# Altium PCB DCAC_V2.PcbDoc (part 1 of 2)
Units mm, origin at the board's own origin, x right, y up, seen from the top; angles counter-clockwise.
Board outline 174.4 x 124.43 mm, 4 copper layers (Top Layer, TOP_RTN, BOTT_RTN, Bottom Layer), stack 1.506 mm thick; 117 components, 312 nets, 484 pads, 111 vias.
Unrouted connection lines stored in the file: 175.
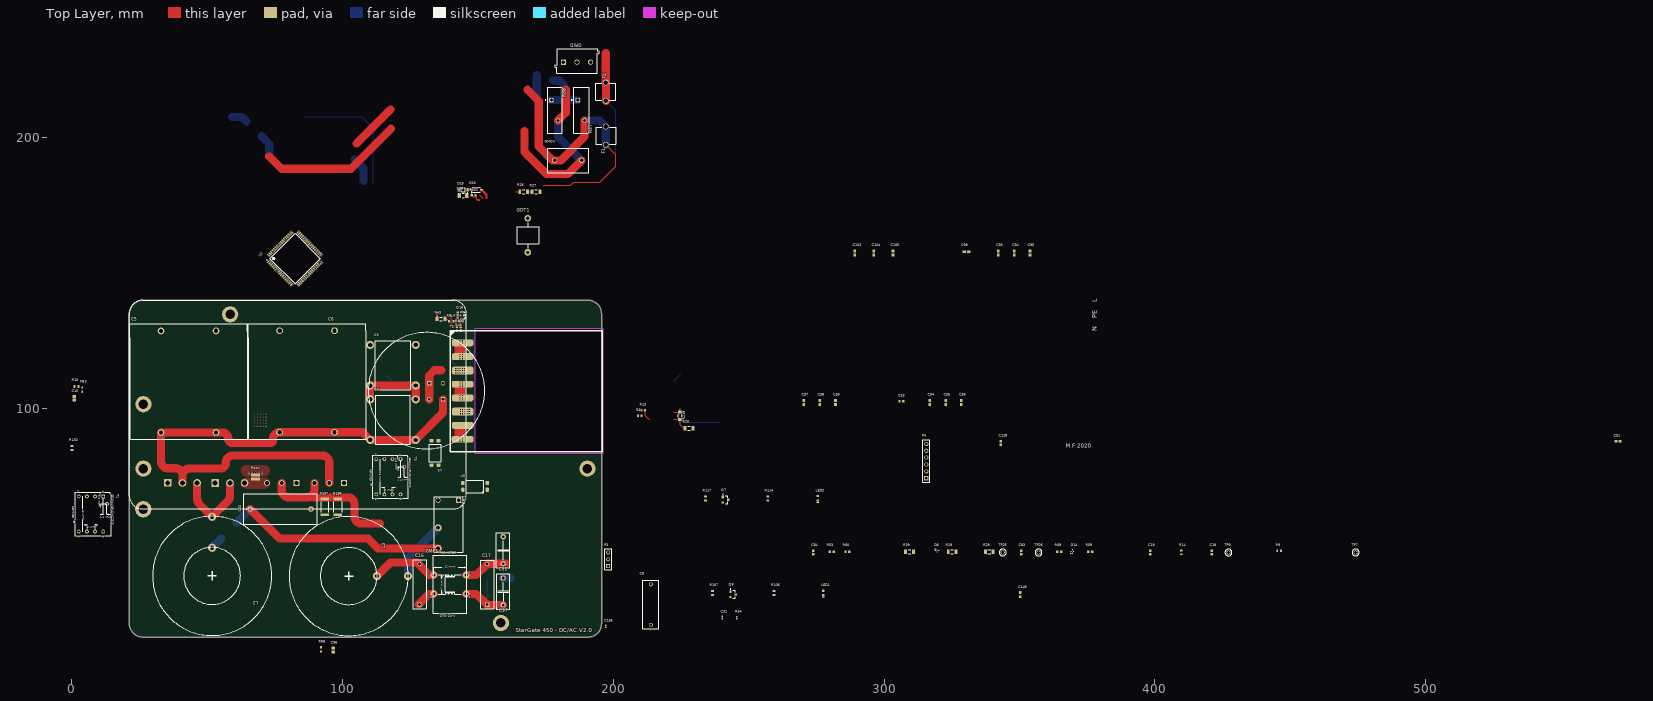
[diagram p0: Top Layer view]
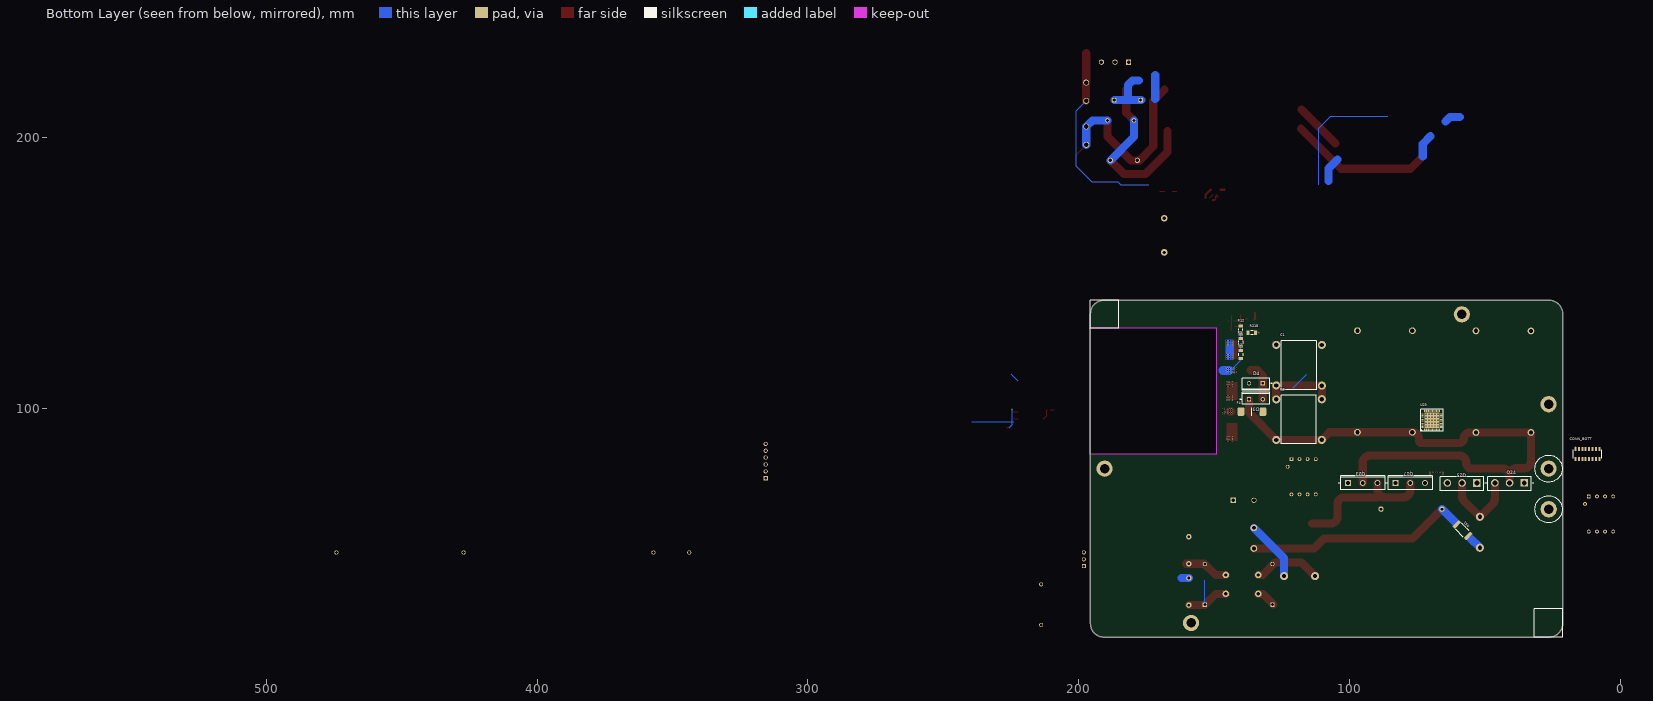
[diagram p1: Bottom Layer view, seen from below]
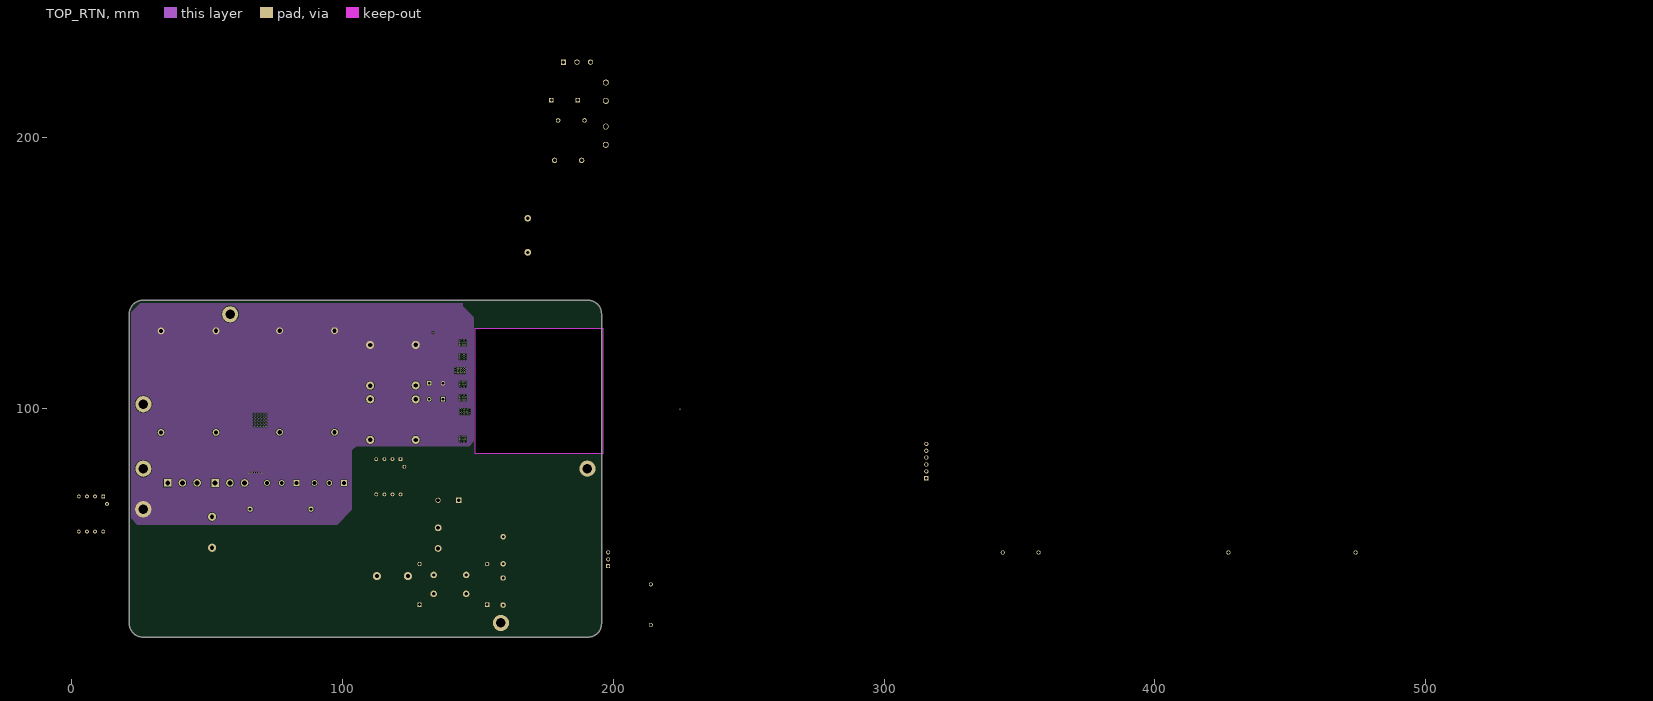
[diagram p2: TOP_RTN]

## Layer stack, top to bottom
Top Solder: solder mask 0.0102, Solder Resist, Dk 3.5
Top Layer: signal copper 0.0356
Dielectric 2: prepreg 0.2, PP-006, Dk 4.1
TOP_RTN: signal copper 0.0175
Dielectric 1: dielectric 1, FR-4, Dk 4.8
BOTT_RTN: signal copper 0.0175
Dielectric 3: prepreg 0.2, PP-006, Dk 4.1
Bottom Layer: signal copper 0.0356
Bottom Solder: solder mask 0.0102, Solder Resist, Dk 3.5

## Board outline
21.175,20.4 ccw(c26.175,20.4) 26.175,15.4 190.65,15.4 190.579,15.396 ccw(c190.579,20.396) 195.579,20.396 195.575,20.425 195.575,134.85 195.575,134.825 ccw(c190.575,134.825) 190.575,139.825 26.175,139.825 ccw(c26.175,134.825) 21.175,134.825 21.175,134.85
cut-out: 148.85,129.475 196.1,129.475 196.1,83.062 148.85,83.062

## Design rules (kind name [scope] priority, off if disabled: settings)
Clearance Clearance_3 [InNetClass('BOTT')] p1: gap=0.178 ignorepadtopadclearanceinfootprint=FALSE
Clearance Clearance_1 [(InNetClass('HVDC+')   OR  InNetClass('HVDC-')) vs (OnLayer('Top Layer') OR OnLayer('Bottom Layer'))] p2: gap=1.8 ignorepadtopadclearanceinfootprint=FALSE except(0.2: SMDPad-SMDPad)
Clearance Clearance_5 [InNetClass('GRID+')] p3: gap=0.178 ignorepadtopadclearanceinfootprint=FALSE
Clearance Clearance_2 [InNetClass('GRID+')  OR InNetClass('GRID-')] p4: gap=2 ignorepadtopadclearanceinfootprint=FALSE except(0.254: SMDPad-SMDPad)
Clearance Clearance_4 [InNetClass('HVDC') vs (OnLayer('TOP_RTN') OR OnLayer('BOTT_RTN'))] p5: gap=0.5 ignorepadtopadclearanceinfootprint=FALSE
Clearance [All] p6: gap=0.178 ignorepadtopadclearanceinfootprint=FALSE
HoleSize [All] p1: absolutevalues=TRUE maxlimit=5 minlimit=0.025 maxpercent=80.000 minpercent=20.000
PolygonConnect [All] p1: connectstyle=Direct reliefconductorwidth=0.254 reliefentries=4 polygonreliefangle="90 Angle" airgapwidth=0.254
RoutingVias [All] p1: holewidth=0.3 width=0.6 viastyle="Through Hole" minholewidth=0.3 minwidth=0.6 maxholewidth=2 maxwidth=1.27
SolderMaskExpansion [All] p1: expansion=0.06 istentingtop=FALSE
Width [All] p1: maxlimit=20 minlimit=0.178 preferedwidth=0.254
29 further rules are at their usual default settings.

## Classes and differential pairs
component class Control_Sense_BOTT: C10 C51 C53 C54 C55 C56 C57 C58 C96 C99 C128 C146 C156 FB3 FB8 P4 Q8 R10 R106 R107 R130 U2

## Components (designator, comment, footprint, x,y, rotation, side; value= is the part's Value field where it differs from the comment)
C1 "1uF" ECW-FE2W105K 118.625,115.8 r180 bottom
C2 "1uF" ECW-FE2W105K 118.65,95.75 r180 bottom
C3 "1uF" ECW-FE2W105K 118.45,115.85 r0 top
C4 "1uF" ECW-FE2W105K 118.45,95.725 r0 top
C5 "45 uF 500V" C4AQLLW5450A38K 53.2,91 r90 top value=45uF
C6 "45 uF 500V" C4AQLLW5450A38K 96.975,91.07 r90 top value=45uF
C8 "B32672P5334K000" B32672P5334K000 213.8,19.9 r90 top
C10 "1uF" CAPC2013X140X50LL20T25 0.877,103.65 r90 top
C16 "100nF" TDK-B32922C3104K 128.375,34.9 r90 top
C17 "100nF" TDK-B32922C3104K 153.325,34.875 r90 top locked
C18 "100 nF" CAPC1608X90X40NL10T20 420.921,46.652 r90 top
C19 "100 nF" CAPC1608X90X40NL10T20 398.319,46.652 r90 top
C31 "1nF" CAPC1005X56X25LL10T15 240.137,22.651 r90 top
C33 "560nF" ECWFE2W335J 77.025,62.675 r180 top
C35 "2.2nF" "CAPMF13.0x5.0x11.0x10.0mm LxWxHxP" 159.25,47.475 r270 top
C37 "2.2nF" "CAPMF13.0x5.0x11.0x10.0mm LxWxHxP" 159.225,32.225 r90 top locked
C38 "10uF 25V" CAPC3216X229X50NL20T25 144.45,178.525 r180 top
C51 "1nF" CAPC1608X90X35NL15T15 570.978,87.704 r0 top
C53 "100nF" CAPC1608X90X35LL15T15 306.32,102.577 r0 top
C54 "100nF" CAPC1608X90X35NL15T15 316.821,102.102 r90 top
C55 "100nF" CAPC1608X90X35NL15T15 322.671,102.102 r90 top
C56 "100nF" CAPC1608X90X35NL15T15 328.496,102.102 r90 top
C57 "100nF" CAPC1608X90X35NL15T15 270.318,102.102 r90 top
C58 "100nF" CAPC1608X90X35NL15T15 276.169,102.102 r90 top
C59 "100nF" CAPC1608X90X35NL15T15 281.994,102.102 r90 top
C83 "100pF" CAPC1608X90X40NL10T20 350.542,46.652 r90 top
C84 "100pF" CAPC1608X90X40NL10T20 273.763,46.652 r90 top
C93 "100nF" CAPC1608X90X35NL15T15 342.147,157.279 r90 top
C94 "100nF" CAPC1608X90X35NL15T15 347.997,157.279 r90 top
C95 "100nF" CAPC1608X90X35NL15T15 353.823,157.279 r90 top
C96 "1uF" CAPC2013X140X50LL20T25 96.475,10.6 r90 top
C99 "100nF" CAPC1608X90X35ML15T15 330.396,157.729 r0 top
C103 "100nF" CAPC1608X90X35NL15T15 289.069,157.279 r90 top
C104 "100nF" CAPC1608X90X35NL15T15 296.17,157.279 r90 top
C105 "100nF" CAPC1608X90X35NL15T15 303.27,157.279 r90 top
C128 "100nF" SAMS-C0603-2_N 342.992,87.104 r90 top
C146 "1nF" CAPC1608X90X35NL15T15 350.192,31.077 r90 top
C156 "1nF" CAPC1005X56X25LL10T15 197.085,19.401 r90 top
CMC1 "" DTS-20/0,47/7,0 133.6,38.375 r0 top locked
CONN_BOTT "CLP-108-02-F-D-BE" CLP-108-02-XXX-D-BE 12.04,83.035 r0 bottom
D3 "IDH06G65C6XKSA1" INF-PG-TO220-2-1 134.475,103.225 r90 bottom
D4 "IDH06G65C6XKSA1" INF-PG-TO220-2-1 134.475,109.15 r270 bottom
D8 "5V" ONSC-SOD-523-2-502-01_V 319.516,47.352 r0 top
D14 "15V" ONSC-SOD-523-2-502-01_V 369.518,47.002 r90 top
D18 "SZMMSZ4702T1G" ONSC-SOD-123-2-425-04_V 144.5,180.6 r180 top
D19 "1N5819HW-7-F" DIOD-SOD-123-2_V 149.4,180.625 r180 top
F1 "3517" KSTN-3517-2_V 197.15,200.6 r90 top locked
F2 "3517" KSTN-3517-2_V 197.175,216.825 r90 top locked
F4 "0678H9100-02" FUSC9830X318N 135.95,98.675 r180 bottom
FB3 "100R" SMD-0603 3.8,106.85 r90 top
FB8 "100R" SMD-0603 91.9,10.85 r90 top
GDT1 "AC240" AC240 168.325,157.5 r90 top
GMOV "GMOV-20D271K" GMOV20D271K 178.25,191.5 r0 top locked
GRID "691101710003" 691101710003 186.525,228.25 r0 top
K1 "ALQ312" PNSC-LQ-4-2000x1000x1600_V 142.85,65.925 r270 top
L2 "1mH" PCBComponent_1 51.75,38 r180 top
L3 "1mH" PCBComponent_1 102.2,37.925 r90 top
LED1 "150060YS75000" 0603_A 277.489,31.727 r90 top
LED2 "150060YS75000" 0603_A 275.463,66.678 r90 top
P3 "Header 3" HDR1X3 198.035,41.602 r90 top
P4 "TSW-106-07-G-S" SMTC-TSW-106-07-X-S 315.54,74.079 r90 top
Q7 "2N7002-7-F" DIOD-SOT23-3_V 241.412,66.103 r0 top
Q8 "2N7002-7-F" DIOD-SOT23-3_V 244.212,31.177 r0 top
Q16 "2N7002" STM-SOT-23-3_V 143.725,134.3 r270 top
Q17 "IKW30N65EL5 / STGW30M65DF2" INF-PG-TO247-3_V 77.465,72.325 r90 bottom
Q23 "IKW30N65EL5 / STGW30M65DF2" INF-PG-TO247-3_V 95.025,72.325 r90 bottom
Q24 "C3M0065090D" CREE-TO-247-3_V 40.8,72.375 r0 bottom
Q25 "C3M0065090D" CREE-TO-247-3_V 58.325,72.325 r0 bottom
R2 "33K 1206" RESC3216X70X50NL05T20#1 140.075,119.75 r270 bottom
R3 "10K" RESC1609X50X30NL8T20 209.675,97.2 r0 top
R4 "3.3k" RESC1608X55X25NL10T15 143.575,132.075 r180 top
R5 "33K 1206" RESC3216X70X50NL05T20#1 140.075,124.275 r270 bottom
R9 "330R" RESC1608X55X25NL10T15 445.847,47.327 r0 top
R10 "0.47R" RESC1608X55X25ML10T15 1.675,108 r0 top
R12 "33K 1206" RESC3216X70X50NL05T20#1 140.075,128.825 r270 bottom
R13 "10K" RESC1609X50X30NL8T20 211,99.15 r180 top
R14 "330R" RESC1608X55X25NL10T15 409.695,46.702 r90 top
R20 "33K 1206" RESC3216X70X50NL05T20#1 227.925,92.575 r0 top
R26 "33K 1206" RESC3216X70X50NL05T20#1 166.8,179.825 r0 top
R27 "33K 1206" RESC3216X70X50NL05T20#1 171.35,179.825 r0 top
R28 "333K" RESC3216X70X50NL05T20#2 338.817,46.902 r0 top
R29 "333K" RESC3216X70X50NL05T20#2 325.066,46.902 r0 top
R37 "V275LA20AP" LFUS-V275LA20AP 188.05,210 r270 top locked
R38 "V275LA20AP" LFUS-V275LA20AP 178.3,209.975 r270 top locked
R39 "333K" RESC3216X70X50NL05T20#2 309.34,46.902 r0 top
R43 "470R" RESC3216X70X50NL05T20#1 136.325,132.9 r0 top
R48 "330R" RESC1608X55X30NL15T15 142.9,128.6 r0 top
R50 "100k" RESC1608X55X30NL15T15 142.9,130 r0 top
R51 "0.025R 1% 2512(6432)" RESC2512(6432)_N 58.175,54.9 r45 bottom value="100.00 Ohm"
R53 "10k" RESC1608X55X30ML15T15 280.564,46.952 r0 top
R54 "49.9R" RESC1005X40X25NL05T05 245.537,22.551 r90 top
R59 "10k" RESC1608X55X30ML15T15 376.143,46.952 r0 top
R60 "10k" RESC1608X55X30ML15T15 286.414,46.952 r0 top
R68 "10k" RESC1608X55X30ML15T15 364.693,46.952 r0 top
R106 "4.7K" RESC1608X55X25ML10T15 259.263,31.652 r90 top value=N/A
R107 "100k" RESC1608X55X25ML10T15 236.537,31.652 r90 top
R114 "4.7K" RESC1608X55X25ML10T15 256.963,66.603 r90 top
R117 "100k" RESC1608X55X25ML10T15 233.986,66.603 r90 top
R130 "0.47R" RESC1608X55X25ML10T15 0,85.2 r90 top
R152 "1R" RESC1608X55X30NL15T15 148.3,178.625 r0 top
R196 "6.8R 2W" RESC2512(6432)_L 98.19,63.474 r270 top value="10.00 Ohm"
R197 "6.8R 2W" RESC2512(6432)_L 93.365,63.474 r270 top value="10.00 Ohm"
R218 "33K 1206" RESC3216X70X50NL05T20#2 135.975,127.825 r180 bottom
R219 "33K 1206" RESC3216X70X50NL05T20#2 224.575,97.15 r90 top
Rcsn "0.02R" RESC1632X80N 67.775,74.525 r270 top
RELAY "150060GS75000" 0603_A 140.075,132.075 r180 top
T1 "TI-E10" EE10-K-V-8P-SS-WZ2579 11.546,67.38 r270 top
T2 "LLC 400W" ETD39-K-V-16P-HORIZONTAL-SEC 139.711,83.948 r0 top
T3 "TI-E10" EE10-K-V-8P-SS-WZ2579 121.396,81.13 r270 top
TP7 "5002" KSTN-5002 474.098,46.652 r0 top
TP9 "5001" KSTN-5001 427.121,46.652 r0 top
TP25 "5002" KSTN-5002 343.767,46.652 r90 top
TP26 "5002" KSTN-5002 356.992,46.652 r90 top
U1 "LTV-814S" LTV-814S 135.299,87.967 r270 top
U2 "STM32G474QBT6" LQFP-128 82.4,155.225 r45 top
U5 "LTV-814S" LTV-814S 153.417,69.851 r180 top
U23 "STM32G491CCU" QFN50P700X700X65-49N-D 69.475,95.5 r90 bottom

## Footprints (in the part's own frame and the unit in brackets; to place one, negate y for a bottom-side part, rotate by r counter-clockwise, add the part's x,y. Pads: shape width x height; smd on the part's side, far side on the other; paste and mask are expansions set on the pad)
0603_A [mm] "Chip LED, 2-Leads, Body 1.6x0.8mm, IPC Medium Density"
  rect 0.8x0.8 smd: 1(-0.8,0) 2(0.8,0)
  silkscreen extent -1.5,-0.3 -1.5,0.3, body extent -0.8,-0.4 0.8,0.4, height 0.7
691101710003 [mm] "5,00mm - modular - blue - Horizontal entry with pressure clamp - 12,6mm height - 03p"
  rect 1.95x1.95 hole 1.3: 1(-5,-0.5)
  round 1.95 hole 1.3: 2(0,-0.5) 3(5,-0.5)
  silkscreen extent -8.1,-4.5 8.1,4.5, body extent -8.1,-4.5 8.1,4.5, height 12.65
AC240 [mm]
  round 2.5 hole 1.2: 1(0,0) 2(12.6,0)
  silkscreen extent 1.59,-4 11.02,4
B32672P5334K000 [mm]
  round 1.5 hole 1: 1(0,0) 2(15,0)
  silkscreen extent -2.2,-3 16.5,3, body extent -1.5,-3 16.5,3, height 11.1
C4AQLLW5450A38K [mm]
  round 2.5 hole 1.6: 1(0,20.3) 1(0,0) 2(37.48,20.3) 2(37.5,0)
  silkscreen extent -2.55,-11.48 40.05,31.93, body extent -2.55,-11.48 40.05,31.93, height 25.2
CAPC1005X56X25LL10T15 [mm] "Chip Capacitor, 2-Leads, Body 1.00x0.50mm, IPC High Density"
  rect 0.58x0.54 smd: 1(-0.39,0) 2(0.39,0)
  body extent -0.55,-0.3 0.55,0.3, height 0.56
CAPC1608X90X35LL15T15 [mm] "Chip Capacitor, 2-Leads, Body 1.60x0.81mm, IPC High Density"
  rect 0.85x0.9 smd: 1(-0.65,0) 2(0.65,0)
  body extent -0.88,-0.48 0.87,0.48, height 0.9
CAPC1608X90X35ML15T15 [mm] "Chip Capacitor, 2-Leads, Body 1.60x0.81mm, IPC Low Density"
  rect 1.25x1.1 smd: 1(-0.85,0) 2(0.85,0)
  body extent -0.88,-0.48 0.87,0.48, height 0.9
CAPC1608X90X35NL15T15 [mm] "Chip Capacitor, 2-Leads, Body 1.60x0.81mm, IPC Medium Density"
  rect 1.05x1 smd: 1(-0.75,0) 2(0.75,0)
  body extent -0.88,-0.48 0.87,0.48, height 0.9
CAPC1608X90X40NL10T20 [mm] "Chip Capacitor, 2-Leads, Body 1.60x0.80mm, IPC Medium Density"
  rect 0.95x0.95 smd: 1(-0.625,0) 2(0.625,0)
  body extent -0.85,-0.45 0.85,0.45, height 0.9
CAPC2013X140X50LL20T25 [mm] "Chip Capacitor, 2-Leads, Body 2.00x1.25mm, IPC High Density"
  rect 1.1x1.35 smd: 1(-0.7,0) 2(0.7,0)
  body extent -1.1,-0.72 1.1,0.72, height 1.4
CAPC3216X229X50NL20T25 [mm] "Chip Capacitor, 2-Leads, Body 3.40x1.80mm, IPC Medium Density"
  rrect50% 1.3x1.8 smd: 1(-1.4,0) 2(1.4,0)
  silkscreen extent -0.35,-0.8 0.35,0.8, body extent -1.7,-0.9 1.7,0.9, height 2.29
"CAPMF13.0x5.0x11.0x10.0mm LxWxHxP" [mm] "Capacitor, THT, Metallized Polypropylene Film, 10mm lead pitch"
  round 2 hole 0.965: 1(-5,0) 2(5,0)
  silkscreen extent -6.5,-2.5 6.5,2.5, body extent -6.5,-2.5 6.5,2.5, height 11
CLP-108-02-XXX-D-BE [mm]
  rect 0.74x1.47 smd: 1(4.445,-1.87) 2(4.445,1.87) 3(3.175,-1.87) 4(3.175,1.87) 5(1.905,-1.87) 6(1.905,1.87) 7(0.635,-1.87) 8(0.635,1.87) 9(-0.635,-1.87) 10(-0.635,1.87) 11(-1.905,-1.87) 12(-1.905,1.87) 13(-3.175,-1.87) 14(-3.175,1.87) 15(-4.445,-1.87) 16(-4.445,1.87)
  round 0.37 hole 0.74 unplated: 17(4.445,-0.635) 18(4.445,0.635) 19(3.175,-0.635) 20(3.175,0.635) 21(1.905,-0.635) 22(1.905,0.635) 23(0.635,-0.635) 24(0.635,0.635) 25(-0.635,-0.635) 26(-0.635,0.635) 27(-1.905,-0.635) 28(-1.905,0.635) 29(-3.175,-0.635) 30(-3.175,0.635) 31(-4.445,-0.635) 32(-4.445,0.635)
  silkscreen extent -5.3,-2.92 5.3,1.52, body extent -5.3,-2.16 5.29,2.16, height 2.13
CREE-TO-247-3_V [mm] "FM, 3-Leads, Body 16.13x5.21 mm, Pitch 5.44mm"
  rect 2.8x2.8 hole 1.8 paste+0: 1(-5.44,0)
  round 2.8 hole 1.8 paste+0: 2(0,0) 3(5.44,0)
  silkscreen extent -8.84,-2.33 8.06,2.88, body extent -8.06,-2.28 8.06,2.88, height 25.5
DIOD-SOD-123-2_V [mm] "SOD-123, 2-Leads, Body 2.85x1.7mm (max), Pitch 3.7mm"
  rrect10% 1.2x0.7 smd: 1(-1.85,0) 2(1.85,0)
  silkscreen extent -1.43,-0.85 1.97,1.02, body extent -1.42,-0.85 1.43,0.85, height 1.45
DIOD-SOT23-3_V [mm] "SOT23, 3-Leads, Body 3x1.4mm, Pitch 0.95mm"
  rect 0.9x0.8 smd: 1(-1,0.95) 2(-1,-0.95) 3(1,0)
  silkscreen extent -1.12,-1.5 0.7,2.02, body extent -1.25,-1.5 1.25,1.5, height 1.1
DTS-20/0,47/7,0 [mm]
  round 2.4 hole 1.2: 1(0,0) 2(0,-7) 3(12,-7) 4(12,0)
  silkscreen extent -0.25,-14.25 12.25,7.25, body extent -0.51,-14.1 12.44,6.96, height 20.03
ECW-FE2W105K [mm]
  round 3 hole 1.6: 1(8.5,-7.5) 2(8.5,7.5)
  silkscreen extent -6.5,-9.01 6.5,9, body extent -6.5,-9 6.5,9, height 7
ECWFE2W335J [mm]
  round 2 hole 1: 1(-11.25,0) 2(11.25,0)
  silkscreen extent -13.6,-5.65 13.57,5.65, body extent -13,-5 13,5, height 17
EE10-K-V-8P-SS-WZ2579 [mm]
  rect 1.4x1.4 hole 0.8: 1(0.005,-0.021)
  round 1.4 hole 0.8: 2(0.005,-3.021) 3(0.005,-6.021) 4(0.005,-9.021) 5(13.005,-9.021) 6(13.005,-6.021) 7(13.005,-3.021) 8(13.005,-0.021) 9(2.805,1.379)
  silkscreen extent -1.49,-11.1 14.51,2.88, body extent -0.97,-10.75 14.33,2.07, height 15.25
ETD39-K-V-16P-HORIZONTAL-SEC [mm]
  rrect60% 8x2.5 smd: 9(4.549,4.57) 10(4.563,9.647) 12(4.563,19.807) 13(4.563,24.887) 15(4.563,35.047) 16(4.563,40.127)
  rrect60% 8x3 smd: 11(4.563,14.727) 14(4.563,29.92)
  silkscreen extent 0,0 56.13,44.57, body extent 3.6,0.23 55.8,44.73, height 27.5
FUSC9830X318N [mm]
  rrect50% 2.62x3.2 smd: 1(-4.05,0) 2(4.05,0)
  silkscreen extent 0,-1.43 0,1.43, body extent -4.9,-1.52 4.9,1.52, height 3.18
GMOV20D271K [mm]
  round 1.95 hole 1.3: 1(0,0) 2(10,0)
  silkscreen extent -2.62,-4.5 12.62,4.5, body extent -2.62,-4.5 12.62,4.5, height 26.1
HDR1X3 [mm] "Connector; Header; 3 Position"
  rect 1.5x1.5 hole 0.9: 1(0,0)
  round 1.5 hole 0.9: 2(2.54,0) 3(5.08,0)
  silkscreen extent -1.27,-1.27 6.35,1.27
INF-PG-TO220-2-1 [mm] "FM, 2-Leads, Body 10x4.4mm, Pitch 5.08mm"
  rect 1.6x1.6 hole 1: 1(0,2.54)
  round 1.6 hole 1: 2(0,-2.54)
  silkscreen extent -1.85,-5.1 2.65,5.87, body extent -1.85,-5.1 2.65,5.1, height 19.65
INF-PG-TO247-3_V [mm] "FM, 3-Leads, Body 20.96x15.865mm, Pitch 5.44mm"
  rect 2.1x2.1 hole 1.4: 1(0,5.44)
  round 2.1 hole 1.4: 2(0,0) 3(0,-5.44)
  silkscreen extent -2.49,-8.05 2.71,8.83, body extent -2.49,-8.03 2.71,8.03, height 25.57
KSTN-3517-2_V [mm] "THD, 2-Leads, Pin Spacing 6.76mm, Height 8.71mm"
  round 2.2 hole 1.7: 1(-3.38,0) 2(3.38,0)
  silkscreen extent -3.13,-3.7 3.13,3.7, body extent -3.78,-3.7 3.78,3.7, height 8.69
KSTN-5001 [mm] "Test Point, Through Hole, Dia 2.54mm"
  round 1.55 hole 1.016: 1(0,0)
  silkscreen extent -1.27,-1.27 1.27,1.27, body extent -1.25,-1.25 1.25,1.25, height 4.62
KSTN-5002 [mm] "Test Point, Through Hole, Dia 2.54mm"
  round 1.55 hole 1.016: 1(0,0)
  silkscreen extent -1.27,-1.27 1.27,1.27, body extent -1.25,-1.25 1.25,1.25, height 4.62
LFUS-V275LA20AP [mm] "THD, 2-Leads, Body 17x5.6mm, Pitch 7.5mm"
  rect 1.65x1.65 hole 1.15: 1(-3.75,-1.25)
  round 1.65 hole 1.15: 2(3.75,1.25)
  silkscreen extent -8.5,-3.57 8.5,2.8, body extent -8.5,-2.8 8.5,2.8, height 20
LQFP-128 [mm] "STM32G4"
  oval 1.4x0.229 smd: 1(-7.7,6.2) 2(-7.7,5.8) 3(-7.7,5.4) 4(-7.7,5) 5(-7.7,4.6) 6(-7.7,4.2) 7(-7.7,3.8) 8(-7.7,3.4) 9(-7.7,3) 10(-7.7,2.6) 11(-7.7,2.2) 12(-7.7,1.8) 13(-7.7,1.4) 14(-7.7,1) 15(-7.7,0.6) 16(-7.7,0.2) 17(-7.7,-0.2) 18(-7.7,-0.6) 19(-7.7,-1) 20(-7.7,-1.4) 21(-7.7,-1.8) 22(-7.7,-2.2) 23(-7.7,-2.6) 24(-7.7,-3) 25(-7.7,-3.4) 26(-7.7,-3.8) 27(-7.7,-4.2) 28(-7.7,-4.6) 29(-7.7,-5) 30(-7.7,-5.4) 31(-7.7,-5.8) 32(-7.7,-6.2) 65(7.7,-6.2) 66(7.7,-5.8) 67(7.7,-5.4) 68(7.7,-5) 69(7.7,-4.6) 70(7.7,-4.2) 71(7.7,-3.8) 72(7.7,-3.4) 73(7.7,-3) 74(7.7,-2.6) 75(7.7,-2.2) 76(7.7,-1.8) 77(7.7,-1.4) 78(7.7,-1) 79(7.7,-0.6) 80(7.7,-0.2) 81(7.7,0.2) 82(7.7,0.6) 83(7.7,1) 84(7.7,1.4) 85(7.7,1.8) 86(7.7,2.2) 87(7.7,2.6) 88(7.7,3) 89(7.7,3.4) 90(7.7,3.8) 91(7.7,4.2) 92(7.7,4.6) 93(7.7,5) 94(7.7,5.4) 95(7.7,5.8) 96(7.7,6.2)
  oval 0.229x1.4 smd: 33(-6.2,-7.7) 34(-5.8,-7.7) 35(-5.4,-7.7) 36(-5,-7.7) 37(-4.6,-7.7) 38(-4.2,-7.7) 39(-3.8,-7.7) 40(-3.4,-7.7) 41(-3,-7.7) 42(-2.6,-7.7) 43(-2.2,-7.7) 44(-1.8,-7.7) 45(-1.4,-7.7) 46(-1,-7.7) 47(-0.6,-7.7) 48(-0.2,-7.7) 49(0.2,-7.7) 50(0.6,-7.7) 51(1,-7.7) 52(1.4,-7.7) 53(1.8,-7.7) 54(2.2,-7.7) 55(2.6,-7.7) 56(3,-7.7) 57(3.4,-7.7) 58(3.8,-7.7) 59(4.2,-7.7) 60(4.6,-7.7) 61(5,-7.7) 62(5.4,-7.7) 63(5.8,-7.7) 64(6.2,-7.7) 97(6.2,7.7) 98(5.8,7.7) 99(5.4,7.7) 100(5,7.7) 101(4.6,7.7) 102(4.2,7.7) 103(3.8,7.7) 104(3.4,7.7) 105(3,7.7) 106(2.6,7.7) 107(2.2,7.7) 108(1.8,7.7) 109(1.4,7.7) 110(1,7.7) 111(0.6,7.7) 112(0.2,7.7) 113(-0.2,7.7) 114(-0.6,7.7) 115(-1,7.7) 116(-1.4,7.7) 117(-1.8,7.7) 118(-2.2,7.7) 119(-2.6,7.7) 120(-3,7.7) 121(-3.4,7.7) 122(-3.8,7.7) 123(-4.2,7.7) 124(-4.6,7.7) 125(-5,7.7) 126(-5.4,7.7) 127(-5.8,7.7) 128(-6.2,7.7)
  silkscreen extent -7.82,-6.6 6.6,7.01, body extent -7,-7 7,7, height 1.6
LTV-814S [mm]
  rrect50% 1.3x1.5 smd: 1(0.017,0.026) 2(0.017,-2.514) 3(9.017,-2.514) 4(9.017,0.026)
  silkscreen extent 1.27,-3.54 7.77,1.06, body extent 1.27,-3.54 7.77,1.06, height 4
ONSC-SOD-123-2-425-04_V [mm] "SOD, 2-Leads, Body 2.69x1.6mm"
  rrect10% 0.91x1.22 smd: 1(-1.635,0) 2(1.635,0)
  silkscreen extent -1.76,-0.8 0.78,1.28, body extent -1.35,-0.8 1.35,0.8, height 1.35
ONSC-SOD-523-2-502-01_V [mm] "SOD, 2-Leads, Body 1.2x0.8mm"
  rect 0.48x0.4 smd: 1(-0.66,0) 2(0.66,0)
  silkscreen extent -0.75,-0.4 0.07,0.65, body extent -0.6,-0.4 0.6,0.4, height 0.7
PCBComponent_1 [mm]
  round 3 hole 1.5: 1(0,-10.414) 2(0,-21.844)
  silkscreen extent -22,-22 22,22, body extent -20.97,-21.98 20.97,21.74, height 16.8
PNSC-LQ-4-2000x1000x1600_V [mm] "LQ, 4-Leads, Body 20x10mm"
  rect 1.9x1.9 hole 1.4: 1(0,0)
  round 2.5 hole 1.4: 2(17.78,-7.62) 3(10.16,-7.62)
  round 1.9 hole 1.4: 4(0,-7.62)
  silkscreen extent -1.35,-9.01 19.13,1.39, body extent -1.31,-9.01 19.09,1.39, height 16.6
QFN50P700X700X65-49N-D [mm]
  rrect20% 0.85x0.3 smd mask+0.102: 1(-3.5,2.75) 2(-3.5,2.25) 3(-3.5,1.75) 4(-3.5,1.25) 5(-3.5,0.75) 6(-3.5,0.25) 7(-3.5,-0.25) 8(-3.5,-0.75) 9(-3.5,-1.25) 10(-3.5,-1.75) 11(-3.5,-2.25) 12(-3.5,-2.75) 25(3.5,-2.75) 26(3.5,-2.25) 27(3.5,-1.75) 28(3.5,-1.25) 29(3.5,-0.75) 30(3.5,-0.25) 31(3.5,0.25) 32(3.5,0.75) 33(3.5,1.25) 34(3.5,1.75) 35(3.5,2.25) 36(3.5,2.75)
  rrect20% 0.3x0.85 smd mask+0.102: 13(-2.75,-3.5) 14(-2.25,-3.5) 15(-1.75,-3.5) 16(-1.25,-3.5) 17(-0.75,-3.5) 18(-0.25,-3.5) 19(0.25,-3.5) 20(0.75,-3.5) 21(1.25,-3.5) 22(1.75,-3.5) 23(2.25,-3.5) 24(2.75,-3.5) 37(2.75,3.5) 38(2.25,3.5) 39(1.75,3.5) 40(1.25,3.5) 41(0.75,3.5) 42(0.25,3.5) 43(-0.25,3.5) 44(-0.75,3.5) 45(-1.25,3.5) 46(-1.75,3.5) 47(-2.25,3.5) 48(-2.75,3.5)
  rect 5.6x5.6 smd mask+0.102: 49(0,0)
  silkscreen extent -4.13,-4.13 4.13,4.13, body extent -3.55,-3.55 3.55,3.55, height 0.65
RESC1005X40X25NL05T05 [mm] "Chip Resistor, 2-Leads, Body 1.00x0.50mm, IPC Medium Density"
  rect 0.55x0.55 smd: 1(-0.45,0) 2(0.45,0)
  body extent -0.53,-0.27 0.53,0.28, height 0.4
RESC1608X55X25ML10T15 [mm] "Chip Resistor, 2-Leads, Body 1.60x0.80mm, IPC Low Density"
  rect 0.8x1 smd: 1(-0.75,0) 2(0.75,0)
  body extent -0.85,-0.45 0.85,0.45, height 0.55
RESC1608X55X25NL10T15 [mm] "Chip Resistor, 2-Leads, Body 1.70x0.90mm, IPC Medium Density"
  rect 0.7x0.9 smd: 1(-0.7,0) 2(0.7,0)
  body extent -0.85,-0.45 0.85,0.45, height 0.55
RESC1608X55X30ML15T15 [mm] "Chip Resistor, 2-Leads, Body 1.60x0.80mm, IPC Low Density"
  rect 0.9x1.05 smd: 1(-0.725,0) 2(0.725,0)
  body extent -0.87,-0.48 0.87,0.48, height 0.55
RESC1608X55X30NL15T15 [mm] "Chip Resistor, 2-Leads, Body 1.60x0.80mm, IPC Medium Density"
  rrect10% 0.8x0.95 smd: 1(-0.675,0) 2(0.675,0)
  body extent -0.87,-0.47 0.87,0.48, height 0.55
RESC1609X50X30NL8T20 [mm] "Chip Resistor, 2-Leads, Body 1.65x0.95mm, IPC Medium Density"
  rrect10% 0.8x0.95 smd: 1(-0.65,0) 2(0.65,0)
  body extent -0.82,-0.47 0.83,0.48, height 0.5
RESC1632X80N [mm]
  rect 1.05x3.4 smd: 1(-0.75,0) 2(0.75,0)
  body extent -0.8,-1.6 0.8,1.6, height 0.8
RESC2512(6432)_L [mm] "Chip Resistor, Body 6.4x3.2mm, IPC High Density"
  rect 1.05x3.25 smd: 1(-2.9,0) 2(2.9,0)
  silkscreen extent -2,-1.52 2,1.52, body extent -3.25,-1.7 3.25,1.7, height 0.75
RESC2512(6432)_N [mm] "Chip Resistor, Body 6.4x3.2mm, IPC Medium Density"
  rrect50% 1.3x3.4 smd: 1(-3,0) 2(3,0)
  silkscreen extent -2,-1.57 2,1.58, body extent -3.25,-1.7 3.25,1.7, height 0.75
RESC3216X70X50NL05T20#1 [mm] "Chip Resistor, 2-Leads, Body 3.20x1.60mm, IPC Medium Density"
  rrect10% 1.1x1.65 smd: 1(-1.425,0) 2(1.425,0)
  silkscreen extent -0.5,-0.72 0.5,0.73, body extent -1.63,-0.83 1.62,0.83, height 0.7
RESC3216X70X50NL05T20#2 [mm] "Chip Resistor, 2-Leads, Body 3.20x1.60mm, IPC Medium Density"
  rect 1.1x1.65 smd: 1(-1.425,0) 2(1.425,0)
  silkscreen extent -0.5,-0.72 0.5,0.72, body extent -1.63,-0.82 1.62,0.82, height 0.7
SAMS-C0603-2_N [mm] "Chip Capacitor, 2-Leads, Body 1.70x0.90mm, IPC Medium Density"
  rect 0.85x0.95 smd: 1(-0.675,0) 2(0.675,0)
  body extent -0.85,-0.45 0.85,0.45, height 0.9
SMD-0603 [mm] "Chip Inductor, 2-Leads, Body 1.6x0.8mm"
  rect 0.85x0.7 smd: 1(-0.775,0) 2(0.775,0)
  body extent -0.8,-0.4 0.8,0.4, height 0.79
SMTC-TSW-106-07-X-S [mm] ".025 SQ Post Terminal Strip Assembly, 1x6 Pins, Vertical, 2.54mm Pitch, Male"
  rect 1.55x1.55 hole 1.02: 1(0,0)
  round 1.55 hole 1.02: 2(2.54,0) 3(5.08,0) 4(7.62,0) 5(10.16,0) 6(12.7,0)
  silkscreen extent -1.46,-1.27 14.16,1.27, body extent -1.27,-1.24 13.97,1.3, height 8.38
STM-SOT-23-3_V [mm] "SOT23, 3-Leads, Body 3.016x2.8mm, Pitch 0.95mm"
  rrect10% 0.9x0.95 smd: 1(-0.95,-1.25) 2(0.95,-1.25) 3(0,1.25)
  silkscreen extent -1.3,-0.38 1.3,1.25, body extent -1.14,-1.25 1.17,1.36, height 1.25
TDK-B32922C3104K [mm] "THD, 2-leads, Body 18x5mm, Pitch 15mm"
  rect 1.6x1.6 hole 1.1: 1(-7.5,0)
  round 1.6 hole 1.1: 2(7.5,0)
  silkscreen extent -9,-2.5 9,2.5, body extent -9,-2.5 9,2.5, height 10.5

## Part data
C1 C2 C3 C4: library part CAPMF_330n_TH_MPET_63VDC_10%, "ECW-FE2W105K", Case/Package=Radial, Dielectric Material=PP, Manufacturer=Panasonic, Manufacturer Part Number=ECWFE2W335J, Max Operating Temperature=105°C, Min Operating Temperature=-40°C, Supplier Part Number 1=2805922, Tolerance=5%, Voltage Rating (DC)=450V, Capacitance=1uF, ComponentLink1Description=https://industrial.panasonic.com/cdbs/www-data/pdf/RDI0000/DMI0000COL72.pdf?src-supplier=Digi-Key, ComponentLink1URL=https://industrial.panasonic.com/cdbs/www-data/pdf/RDI0000/DMI0000COL72.pdf?src-supplier=Digi-Key, Height - Seated (Max)=0.67inch, Lead Pitch=0.886inch, Length=1.024inch, Mount="Through Hole", Packaging=Bulk, RoHS=Yes, Stock 1=358, Supplier 1=Farnell, Termination="PC Pins", Width=0.394inch
C5 C6: library part CAPMF_330n_TH_MPET_63VDC_10%, "Capacitor THD Metallized PP 45 uF, 500 VDC, -55/+105°C", Manufacturer=KEMET, Manufacturer Part Number=C4AQLLW5450A38K, Supplier Part Number 1=82AH0176, ComponentLink1Description=http://www.epcos.com/inf/20/20/db/fc_2009/MKT_B32520_529.pdf, ComponentLink1URL=http://www.epcos.com/inf/20/20/db/fc_2009/MKT_B32520_529.pdf, RoHS=Yes, Supplier 1=Newark
C8: "Capacitor", Manufacturer_Name=TDK, Mouser Part Number=871-B32672P5334K000, Datasheet Link=https://componentsearchengine.com/Datasheets/2/B32672P5334K000.pdf, Height=11mm, Manufacturer_Part_Number=B32672P5334K000, Mouser Price/Stock=https://www.mouser.com/Search/Refine.aspx?Keyword=871-B32672P5334K000
C10 C51 C54 C55 C58 C59 C93 C94 C95 C99 C103 C104 C105 C146: library part CMP-2006-04245-1, Capacitance=100pF, Case Code (Imperial)=0603, Case Code (Metric)=1608, Dielectric=C0G, Dielectric Material=Ceramic, Insulation Resistance=100GR, Manufacturer="AVX Interconnect / Elco", Manufacturer Part Number=06035A151JAT2A, Max Operating Temperature=125°C, Min Operating Temperature=-55°C, Package Quantity=1, Part Number=06035A151JAT2A., Supplier Part Number 1=478-1177-1-ND, Temperature coefficient=30ppm/°C, Tolerance=5%, Voltage=50V, Case/Package=0603, Category="Ceramic Capacitors", ComponentLink1Description=https://datasheet.ciiva.com/1124/84496-1124721.pdf?src-supplier=Element14, ComponentLink1URL=https://datasheet.ciiva.com/1124/84496-1124721.pdf?src-supplier=Element14, ComponentLink2Description=https://datasheet.ciiva.com/2987/ccog-2987781.pdf?src-supplier=Avnet, ComponentLink2URL=https://datasheet.ciiva.com/2987/ccog-2987781.pdf?src-supplier=Avnet, ComponentLink3Description=https://datasheet.ciiva.com/7855/759117-7855061.pdf?src-supplier=Element14, ComponentLink3URL=https://datasheet.ciiva.com/7855/759117-7855061.pdf?src-supplier=Element14, ComponentLink4Description=https://datasheet.ciiva.com/2987/ccog-2987782.pdf?src-supplier=Avnet, ComponentLink4URL=https://datasheet.ciiva.com/2987/ccog-2987782.pdf?src-supplier=Avnet, ComponentLink5Description=https://datasheet.ciiva.com/156/ccog-156216.pdf?src-supplier=Digi-Key, ComponentLink5URL=https://datasheet.ciiva.com/156/ccog-156216.pdf?src-supplier=Digi-Key, ComponentLink6Description=https://datasheet.ciiva.com/156/ccog-156217.pdf?src-supplier=Digi-Key, ComponentLink6URL=https://datasheet.ciiva.com/156/ccog-156217.pdf?src-supplier=Digi-Key, ComponentLink7Description=https://datasheet.ciiva.com/156/ccog-156218.pdf?src-supplier=Digi-Key, ComponentLink7URL=https://datasheet.ciiva.com/156/ccog-156218.pdf?src-supplier=Digi-Key, ComponentLink8Description=https://datasheet.ciiva.com/16300/ccog-16300429.pdf?src-supplier=Future+Electronics, ComponentLink8URL=https://datasheet.ciiva.com/16300/ccog-16300429.pdf?src-supplier=Future+Electronics, ComponentLink9Description=https://datasheet.ciiva.com/22699/84496-22699966.pdf?src-supplier=Element14, ComponentLink9URL=https://datasheet.ciiva.com/22699/84496-22699966.pdf?src-supplier=Element14, ComponentLink10Description=https://datasheet.ciiva.com/5418/ccog-5418335.pdf?src-supplier=Mouser, ComponentLink10URL=https://datasheet.ciiva.com/5418/ccog-5418335.pdf?src-supplier=Mouser, ComponentLink11Description=https://datasheet.ciiva.com/16538/ccog-16538111.pdf?src-supplier=Avnet+Asia, ComponentLink11URL=https://datasheet.ciiva.com/16538/ccog-16538111.pdf?src-supplier=Avnet+Asia, Contact Plating=Tin,Matte, Depth=0.81mm, Height=0.86mm, Lead Free="Lead Free", Length=1.6mm, Mount="Surface Mount,PCB", Number of Pins=2, Packaging="Tape and Reel", Pricing 1="1=0.12000, 10=0.08900, 100=0.04180, 500=0.02932, 1000=0.02428 (USD)", Radiation Hardening=No, REACH SVHC="No SVHC", RoHS=Yes, Stock 1=63714, Supplier 1=Digi-Key, Termination=SMD/SMT, Thickness=0.035inch, Voltage Rating=50V, Voltage Rating (DC)=50V, Width=0.032inch
C16 C17: library part CMP-2000-05891-1, "EMI Suppression Capacitor (MKP), 0.1 uF, +/- 10%, 305 V, 2-Pin THD, RoHS, Bulk B32922C3104K", Capacitance=0.1µF, Dielectric Material=Polypropylene, Manufacturer=TDK, Operating Temperature=-40°C~110°C, Package / Case=Radial, Package Description="2-Pin Through Hole Device, Body 18 x 5 mm, Pitch 15 mm", Package Reference=B32922C3104K, Standard Package=4,000, Tolerance=±10%, Voltage Rating - AC=305V, Voltage Rating - DC=630V, Applications=EMISuppressionX2, Category=Capacitors, Datasheet URL=https://en.tdk.eu/inf/20/20/db/fc_2009/X2_B32921_928.pdf, Datasheet Version=09/2016, Dynamic Catalog=B32922Series, Family=FilmCapacitors, Features=EMISuppression, Height - Seated (Max)="0.413\"(10.50mm)", Lead Spacing="0.591\"(15.00mm)", Manufacturer URL=http://www.tdk.com/, Mounting Technology=ThroughHole, Mounting Type=ThroughHole, Other Names=495-4476, Packaging=Bulk, Series=B32922, Size / Dimension="0.709\"Lx0.197\"W(18.00mmx5.00mm)", Termination=PCPins